# Allegro board HY_IP5328_TEST_V10B.brd
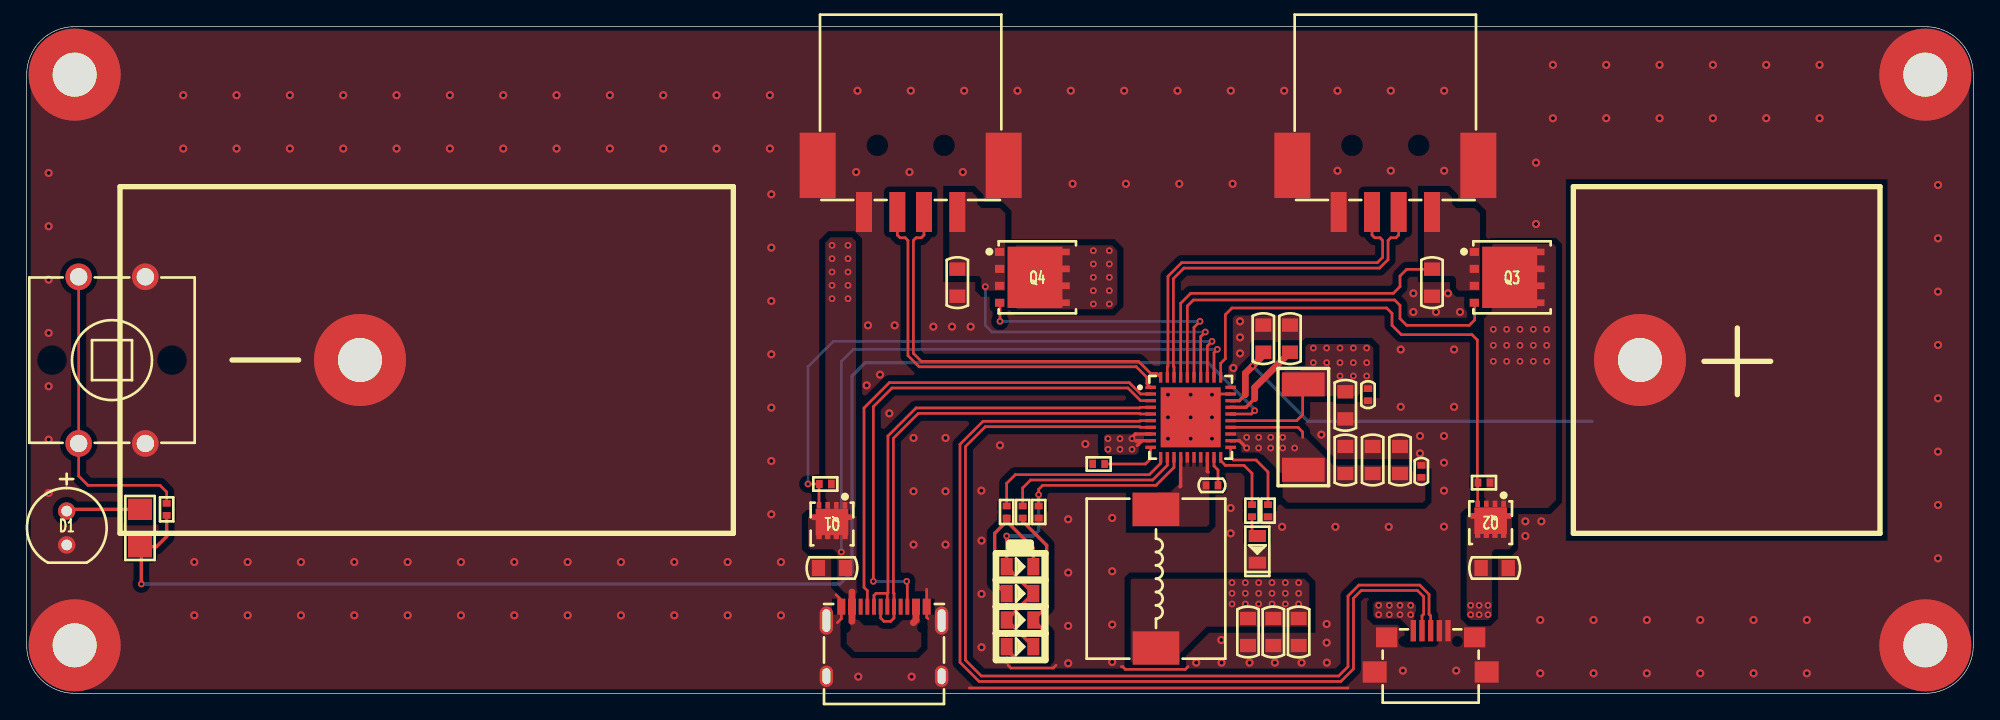
[diagram p0: board, top side]
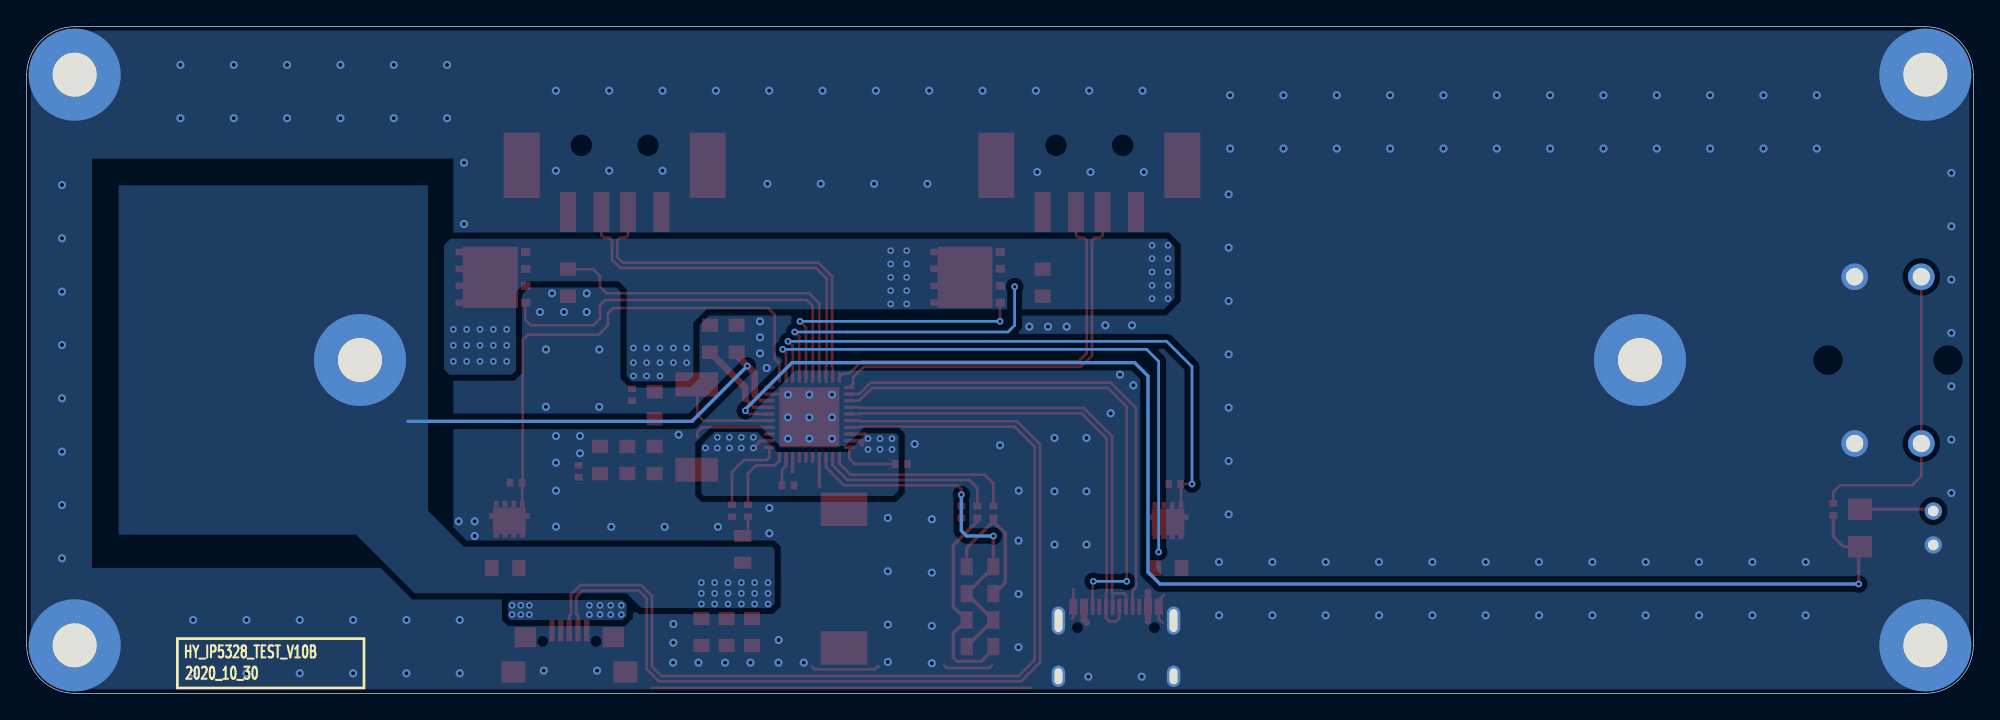
[diagram p1: board, bottom side, seen from below]

Outline 146 x 50 mm; copper layers: TOP, BOTTOM. Coordinates in mm from the lower left corner of the outline.
Outline path: 0,46.4 arc(1.05,48.95) 3.6,50 142.4,50 arc(144.95,48.95) 146,46.4 146,3.6 arc(144.95,1.05) 142.4,0 3.6,0 arc(1.05,1.05) 0,3.6 0,46.4

## Design rules (mm)
constraint set DEFAULT: min track width 0.203, pair gap 0.203
net group DP1: nets DMB DPB
net group DP2: nets DMC DPC
net group DP3: nets DMA1 DPA1
net group DP4: nets DMA2 DPA2

## Placement (name value [footprint] x y rotation side)
C1  22uF_25V  [C0805]  98.9 21.6 270 top
C2  100nF_50V  [C0402]  100.6 22.4 90 top
C3  100nF_50V  [C0402]  104.6 16.65 270 top
C4  22uF_25V  [C0805]  103 17.5 90 top
C5  22uF_25V  [C0805]  100.95 17.5 90 top
C6  22uF_25V  [C0805]  98.9 17.5 90 top
C7  22uF_10V  [C0805]  92.75 26.6 270 top
C8  22uF_10V  [C0805]  94.75 26.6 270 top
C9  100nF_50V  [C0402]  88.9 15.6 0 top
C10  10uF_25V  [C0805]  60.4 9.4 180 top
C11  22uF_10V  [C0805]  95.4 4.6 270 top
C12  22uF_10V  [C0805]  93.5 4.6 270 top
C13  22uF_10V  [C0805]  91.6 4.6 270 top
C14  10uF_25V  [C0805]  110.1 9.4 0 top
C15  10uF_25V  [C0805]  105.4 30.8 270 top
C16  10uF_25V  [C0805]  69.8 30.8 270 top
D1  LED_GREEN  [LED-5R0X5R0]  3 12.4 270 top
D2  LED_GREEN  [LED0805]  92.3 10.8 270 top
D3  LED_GREEN  [LED0805]  74.5 3.5 0 top
D4  LED_GREEN  [LED0805]  74.5 5.5 0 top
D5  LED_GREEN  [LED0805]  74.5 7.48 0 top
D6  LED_GREEN  [LED0805]  74.5 9.5 0 top
L1  SMMS1040-1R5M  [L10040]  84.7 8.6 270 top
MH1  HOLD-M3/NI  [HOLD6R90X3R40]  121 25 0 top
MH2  HOLD-M3/NI  [HOLD6R90X3R40]  25 25 0 top
MH3  HOLD-M3/NI  [HOLD6R90X3R40]  3.6 46.4 0 top
MH4  HOLD-M3/NI  [HOLD6R90X3R40]  3.6 3.6 0 top
MH5  HOLD-M3/NI  [HOLD6R90X3R40]  142.4 3.6 0 top
MH6  HOLD-M3/NI  [HOLD6R90X3R40]  142.4 46.4 0 top
NOREF  -  []  0 0 90 top
NOREF#2  -  []  0 0 0 top
Q1  WSD30L40DN  [DFN3X3]  60.4 12.7 180 top
Q2  WSD30L40DN  [DFN3X3]  109.8 12.8 180 top
Q3  WSD30140DN  [DFN5X6]  111.4 31.2 270 top
Q4  WSD30140DN  [DFN5X6]  75.8 31.2 270 top
R1  0R01  [R2512]  95.75 19.97 90 top
R2  20R  [R1206]  8.5 12.4 90 top
R3  1K  [R0402]  10.5 13.8 270 top
R4  1K  [R0402]  93.1 13.7 270 top
R5  10K  [R0402]  91.9 13.7 270 top
R6  10K  [R0402]  59.9 15.7 0 top
R7  0R/NI  [R0402]  75.9 13.6 270 top
R8  10K  [R0402]  74.7 13.6 270 top
R9  10K  [R0402]  73.5 13.6 270 top
R10  51K  [R0402]  80.4 17.2 180 top
R11  10K  [R0402]  109.3 15.8 0 top
SW1  B3F-4055  [SW-B3F4055]  6.4 24.99 270 top
U1  IP5328P  [QFN40-6X6X0R5-4R6X4R6]  87.3 20.7 270 top
USB1  -  [TYPE-C-31-M-12]  64.3 6.5 0 top
USB2  USB-MICRO  [USB-U-F-M5SS-W-1]  105.3 1.6 0 top
USB3  USB-A/NI  [USB-A-SMD]  101.9 37 90 top
USB4  USB-A/NI  [USB-A-SMD]  66.3 37 90 top

## Library data of the parts
C1 C4-C8 C10-C16 = CAP NP_3
C2 C3 C9 = CAP NP_2
D1-D6 = LED_2
L1 = IND_BEAD_0805_600OHM_1
MH1-MH6 = Hold_1
Q1 Q2 = SI4497DY-T1-GE3_0
Q3 Q4 = SI4497DY-T1-GE3_2
R1-R11 = R_Generic
SW1 = SWITCH-SPST-4P
U1 = IP5328P_0
USB1 = TYPE-C_16P
USB2 = USB-MICRO
USB3 USB4 = USB-A

## Footprints (pads in the part's own frame, mm; a bottom-side part is the same pattern mirrored in y, then rotated)
C0402
  rect 0.5x0.6 smd: 1(-0.45,0) 2(0.45,0)
C0805
  rect 1x1.2 smd: 1(-1.016,0) 2(1.016,0)
DFN3X3
  rect 0.35x0.5 smd: 1(-0.975,-1.4) 2(-0.325,-1.4) 3(0.325,-1.4) 4(0.975,-1.4)
  custom 3.05x2.28 smd: 5(0,0)
DFN5X6
  rect 0.6x0.7 smd: 1(-1.905,-2.825) 2(-0.635,-2.825) 3(0.635,-2.825) 4(1.905,-2.825)
  custom 4.6x4.67 smd: 5(0,0.1)
HOLD6R90X3R40
  round 6.9 hole 3.3: 1(0,0)
L10040
  rect 2.5x3.5 smd: 1(-5.2,0) 2(5.2,0)
LED0805
  rect 0.9x1.3 smd: 1(-1,0) 2(1,0)
LED-5R0X5R0
  round 1.3 hole 0.8: 1(-1.27,0) 2(1.27,0)
QFN40-6X6X0R5-4R6X4R6
  rect 0.25x0.8 smd: 1(-2.25,-3) 2(-1.75,-3) 3(-1.25,-3) 4(-0.75,-3) 5(-0.25,-3) 6(0.25,-3) 7(0.75,-3) 8(1.25,-3) 9(1.75,-3) 10(2.25,-3) 21(2.25,3) 22(1.75,3) 23(1.25,3) 24(0.75,3) 25(0.25,3) 26(-0.25,3) 27(-0.75,3) 28(-1.25,3) 29(-1.75,3) 30(-2.25,3)
  rect 0.8x0.25 smd: 11(3,-2.25) 12(3,-1.75) 13(3,-1.25) 14(3,-0.75) 15(3,-0.25) 16(3,0.25) 17(3,0.75) 18(3,1.25) 19(3,1.75) 20(3,2.25) 31(-3,2.25) 32(-3,1.75) 33(-3,1.25) 34(-3,0.75) 35(-3,0.25) 36(-3,-0.25) 37(-3,-0.75) 38(-3,-1.25) 39(-3,-1.75) 40(-3,-2.25)
  rect 4.5x4.5 smd: 41(0,0)
R0402
  rect 0.5x0.6 smd: 1(-0.45,0) 2(0.45,0)
R1206
  rect 1.6x1.8 smd: 1(-1.4,0) 2(1.4,0)
R2512
  rect 1.8x3.2 smd: 1(-3.2,0) 2(3.2,0)
SW-B3F4055
  round 2 hole 1.3: 1(-6.25,2.5) 2(6.25,2.5) 3(-6.25,-2.5) 4(6.25,-2.5)
TYPE-C-31-M-12
  rect 0.6x1.2 smd: 1(-3.2,0) 2(-2.4,0) 11(2.4,0) 12(3.2,0)
  rect 0.3x1.2 smd: 3(-1.75,0) 4(-1.25,0) 5(-0.75,0) 6(-0.25,0) 7(0.25,0) 8(0.75,0) 9(1.25,0) 10(1.75,0)
  oval 1x2.1 hole 0.6x1.7: 13(-4.32,-1.04) 14(4.32,-1.04)
  oval 1x1.6 hole 0.6x1.2: 15(-4.32,-5.22) 16(4.32,-5.22)
USB-A-SMD
  rect 3x1.2 smd: 1(-0.9,-3.5) 2(-0.9,-1) 3(-0.9,1) 4(-0.9,3.5)
  rect 4.9x2.7 smd: 5(2.6,-6.975) 6(2.6,6.975)
USB-U-F-M5SS-W-1
  rect 0.4x1.6 smd: 1(-1.3,3.1) 2(-0.65,3.1) 3(0,3.1) 4(0.65,3.1) 5(1.3,3.1)
  rect 1.6x1.5 smd: 6(-3.3,2.6) 7(3.3,2.6)
  rect 1.8x1.6 smd: 8(-4.2,0) 9(4.2,0)

## Nets
GND: C1.2 C2.1 C3.1 C4.2 C5.2 C6.2 C7.1 C8.1 C10.2 C11.2 C12.2 C13.2 C14.2 C15.2 C16.2 D1.2(CATHODE) D2.2(CATHODE) MH2.1 MH3.1 MH4.1 MH5.1 MH6.1 R4.2 R7.2 R10.2 SW1.1 SW1.2 U1.29 U1.41 USB1.1 USB1.12 USB1.13 USB1.14 USB1.15 USB1.16 USB2.4 USB2.5 USB2.6 USB2.7 USB2.8 USB2.9 USB3.4 USB3.5 USB3.6 USB4.4 USB4.5 USB4.6
VBUSG: Q1.4 R6.1 U1.33
VCC_VBAT: C7.2 C11.1 C12.1 C13.1 L1.2(B) MH1.1 U1.28
VCC_VBUS: C10.1 Q1.5 U1.32 USB1.2 USB1.11(VBUS2)
VCC_VIN: C14.1 Q2.5 USB2.1(VBUS)
VCC_VMID: C1.1 C2.2 Q1.1 Q1.2 Q1.3(S3) Q2.1 Q2.2 Q2.3(S3) Q3.5 Q4.5 R1.2 R6.2 R11.2 U1.25
VCC_VOUT1: C15.1 Q3.1 Q3.2 Q3.3(S3) U1.37 USB3.1(VBUS)
VCC_VOUT2: C16.1 Q4.1 Q4.2 Q4.3(S3) U1.34 USB4.1(VBUS)
VCC_VREG: C8.2 U1.27
VCC_VSYS: C3.2 C4.1 C5.1 C6.1 R1.1 U1.8 U1.9 U1.22 U1.23(VSYS_4) U1.24
VING: Q2.4 R11.1 U1.31
CC1: U1.2 USB1.4
CC2: U1.3 USB1.10
DMA1: U1.38 USB3.2
DMA2: U1.40 USB4.2
DMB: U1.6 USB2.2
DMC: U1.4 USB1.5 USB1.7
DPA1: U1.39 USB3.3
DPA2: U1.1 USB4.3
DPB: U1.7 USB2.3
DPC: U1.5 USB1.6 USB1.8
LIGHT: R5.1 U1.20
VOUT1G: Q3.4 U1.36
VOUT2G: Q4.4 U1.35
N17512253: R2.1 R3.2 U1.26
N17512311: R4.1 U1.21
N17512398: D2.1 R5.2
N17512435: C9.2 U1.19
N17512437: C9.1 L1.1 U1.14 U1.15 U1.16 U1.17 U1.18
N17512548: D3.2(CATHODE) D4.1 D5.2(CATHODE) D6.1 R7.1 U1.13
N17512579: R8.1 U1.12
N17512581: D3.1 D4.2(CATHODE) R8.2
N17512652: R9.1 U1.11
N17512673: D5.1 D6.2(CATHODE) R9.2
N17512708: R10.1 U1.10
N17556704: D1.1 R2.2
N17560267: R3.1 SW1.3 SW1.4

Pads without a net: U1 30; USB1 3 9

## Via types
v1: diameter 0.508, hole 0.254, TOP to BOTTOM, 110 vias
v2: diameter 0.61, hole 0.305, TOP to BOTTOM, 196 vias

## Routing (per net, layer and track width the routed paths; a pad name or vN(x,y) marks a point on that pad's centre or on a via; arc(x,y) is an arc through that point)
GND: length 43.4
  TOP w0.203: 87.1,2 86.9,1.8 82.4,1.8 82.2,2 82.1,2 ; 60.7,7.4 61.1,7 USB1.1 61.1,5.6 60.8,5.3 ; 99.1,0.4 70.7,0.4 ; 67.5,7.8 USB1.12 67.5,5.7 67.6,5.6 ; 73.6,2.1 73.8,1.9 77,1.9 77.2,2.1 ; v2(88.9,22.4) 88.95,22.45 U1.29
  vias: v2(1.65,39.03) v2(1.65,35.03) v2(1.65,31.03) v2(1.65,27.03) v2(1.65,23.03) v2(1.65,19.03) v2(1.65,15.03) v2(11.74,44.86) v2(11.74,40.86) v2(12.57,9.85) v2(12.57,5.85) v2(15.74,44.86) v2(15.74,40.86) v2(16.57,9.85) v2(16.57,5.85) v2(19.74,44.86) v2(19.74,40.86) v2(20.57,9.85) v2(20.57,5.85) v2(23.74,44.86) v2(23.74,40.86) v2(24.57,9.85) v2(24.57,5.85) v2(27.74,44.86) v2(27.74,40.86) v2(28.57,9.85) v2(28.57,5.85) v2(31.74,44.86) v2(31.74,40.86) v2(32.57,9.85) v2(32.57,5.85) v2(35.74,44.86) v2(35.74,40.86) v2(36.57,9.85) v2(36.57,5.85) v2(39.74,44.86) v2(39.74,40.86) v2(40.57,9.85) v2(40.57,5.85) v2(43.74,44.86) v2(43.74,40.86) v2(44.57,9.85) v2(44.57,5.85) v2(47.74,44.86) v2(47.74,40.86) v2(48.57,9.85) v2(48.57,5.85) v2(51.74,44.86) v2(51.74,40.86) v2(52.57,9.85) v2(52.57,5.85) v2(55.74,44.86) v2(55.74,40.86) v2(55.85,37.43) v2(55.85,33.43) v2(55.85,29.43) v2(55.85,25.43) v2(55.85,21.43) v2(55.85,17.43) v2(55.85,13.43) v2(56.57,9.85) v2(56.57,5.85) v2(62.21,39.1) v2(62.31,45.2) v2(62.37,1.25) v2(63,23.1) v2(63.1,27.6) v2(64,23.9) v2(64.7,21) v2(65.1,27.6) v2(66.21,39.1) v2(66.31,45.2) v2(66.37,1.25) v2(66.51,19.15) v2(66.51,15.15) v2(66.51,11.15) v2(68,27.5) v2(68.91,19.15) v2(68.91,15.15) v2(68.91,11.15) v2(69.4,27.5) v2(70.21,39.1) v2(70.31,45.2) v2(70.8,27.5) v2(71.6,15.2) v2(71.61,11.45) v2(71.61,7.45) v2(71.61,3.45) v2(73,18.6) v2(74.31,45.2) v2(78.11,13.05) v2(78.11,9.05) v2(78.11,5.05) v2(78.11,2.25) v2(78.31,45.2) v2(78.45,38.21) v2(79.4,18.7) v2(81.41,13.15) v2(81.41,9.15) v2(81.41,5.15) v2(81.41,2.35) v2(82.31,45.2) v2(82.45,38.21) v2(85.6,22.4) v2(85.6,20.7) v2(85.6,19.1) v2(86.31,45.2) v2(86.45,38.21) v2(87.3,22.4) v2(87.3,20.7) v2(87.3,19.1) v2(87.72,2.3) v2(88.9,20.7) v2(88.9,19.1) v2(89.6,4) v2(89.62,2.3) v2(90.31,45.2) v2(90.3,13.9) v2(90.3,12) v2(90.45,38.21) v2(90.5,24.4) v2(91,27.9) v2(91,26.7) v2(91,25.5) v2(91.72,2.3) v2(93.62,2.3) v2(94.15,12.49) v2(94.31,45.2) v2(95.62,2.3) v2(97.1,19.4) v2(97.5,5.2) v2(97.5,3.8) v2(97.52,2.3) v2(98.15,12.49) v2(98.31,45.2) v2(98.31,39.2) v2(102.15,12.49) v2(102.31,45.2) v2(102.31,39.2) v2(103.05,25.79) v2(103.05,21.49) v2(103.22,1.7) v2(104,30) v2(104,28.6) v2(104.5,19.3) v2(104.5,18) v2(105.7,28.6) v2(106.31,45.2) v2(106.31,39.2) v2(106.3,19.3) v2(106.3,17.3) v2(106.3,15.2) v2(106.3,12.5) v2(106.6,30) v2(107.05,25.79) v2(107.05,21.49) v2(107.22,1.7) v2(107.5,28.6) v2(112.4,12.9) v2(112.4,11.8) v2(113.2,39.8) v2(113.2,35.2) v2(113.52,5.5) v2(113.52,1.5) v2(113.6,12.9) v2(114.47,47.13) v2(114.47,43.13) v2(117.52,5.5) v2(117.52,1.5) v2(118.47,47.13) v2(118.47,43.13) v2(121.52,5.5) v2(121.52,1.5) v2(122.47,47.13) v2(122.47,43.13) v2(125.52,5.5) v2(125.52,1.5) v2(126.47,47.13) v2(126.47,43.13) v2(129.52,5.5) v2(129.52,1.5) v2(130.47,47.13) v2(130.47,43.13) v2(133.52,5.5) v2(133.52,1.5) v2(134.47,47.13) v2(134.47,43.13) v2(143.35,38.12) v2(143.35,34.12) v2(143.35,30.12) v2(143.35,26.12) v2(143.35,22.12) v2(143.35,18.12) v2(143.35,14.12) v2(143.35,10.12)
VBUSG: length 45.2
  TOP w0.203: v1(58.6,15.7) R6.1 59.42,15.68 Q1.4 ; v1(88.9,26.4) 88.55,26.05 U1.33
  BOTTOM w0.203: v1(88.9,26.4) 60.5,26.4 58.6,24.5 v1(58.6,15.7)
VCC_VBAT: length 32.2
  TOP w0.254: 91.4,22.4 90.95,21.95 U1.28
  TOP w0.508: 91.4,22.4 91.4,24 v1(91.95,24.55) 92.75,25.35 C7.2
  BOTTOM w0.254: 117.4,20.4 96.1,20.4 v1(91.95,24.55)
  vias: v1(90.4,8.3) v1(90.4,7.5) v1(90.4,6.7) v1(91.4,8.3) v1(91.4,7.5) v1(91.4,6.7) v1(92.4,8.3) v1(92.4,7.5) v1(92.4,6.7) v1(93.4,8.3) v1(93.4,7.5) v1(93.4,6.7) v1(94.4,8.3) v1(94.4,7.5) v1(94.4,6.7) v1(95.4,8.3) v1(95.4,7.5) v1(95.4,6.7)
VCC_VBUS: length 48.6
  TOP w0.203: v1(89.3,25.8) 89.05,25.55 U1.32
  TOP w0.508: 66.5,5.3 66.7,5.5 USB1.11 ; 61.9,7.6 USB1.2 61.9,5.4
  BOTTOM w0.203: v1(61.1,10.6) 61.1,24.9 62,25.8 v1(89.3,25.8)
VCC_VIN:
  vias: v1(101.4,6.6) v1(101.4,5.9) v1(102.2,6.6) v1(102.2,5.9) v1(103,6.6) v1(103,5.9) v1(103.8,6.6) v1(103.8,5.9) v1(108.3,6.6) v1(108.3,5.9) v1(108.94,6.6) v1(108.94,5.9) v1(109.6,6.6) v1(109.6,5.9)
VCC_VMID: length 7.9
  TOP w0.203: R1.2 95.7,23.12 95.7,20.9 95.25,20.45 U1.25
  vias: v1(60.4,33.6) v1(60.4,32.6) v1(60.4,31.6) v1(60.4,30.6) v1(60.4,29.6) v1(61.6,33.6) v1(61.6,32.6) v1(61.6,31.6) v1(61.6,30.6) v1(61.6,29.6) v1(80,33.2) v1(80,32.2) v1(80,31.2) v1(80,30.2) v1(80,29.2) v1(81.2,33.2) v1(81.2,32.2) v1(81.2,31.2) v1(81.2,30.2) v1(81.2,29.2) v1(96.5,25.9) v1(96.5,24.8) v1(97.5,25.9) v1(97.5,24.8) v1(98.5,25.9) v1(98.5,24.8) v1(98.5,23.8) v1(99.5,25.9) v1(99.5,24.8) v1(99.5,23.8) v1(100.5,25.9) v1(100.5,24.8) v1(100.5,23.8) v1(110,27.3) v1(110,26.1) v1(110,24.9) v1(111,27.3) v1(111,26.1) v1(111,24.9) v1(112,27.3) v1(112,26.1) v1(112,24.9) v1(113,27.3) v1(113,26.1) v1(113,24.9) v1(114,27.3) v1(114,26.1) v1(114,24.9)
VCC_VOUT1: length 25.9
  TOP w0.203: U1.37 86.55,29.25 87.3,30 102.5,30 103,30.5 103,31.3 103.5,31.8 105.38,31.8 C15.1
VCC_VOUT2: length 23.2
  TOP w0.203: U1.34 88.05,26.75 v1(88.4,27.1)
  BOTTOM w0.203: v1(88.4,27.1) 72.4,27.1 71.9,27.6 v1(71.9,30.5)
VCC_VREG: length 6.7
  TOP w0.254: U1.27 91.45,21.45 92.1,22.1
  TOP w0.508: 92.1,22.1 92.1,22.93 C8.2
VCC_VSYS: length 10.2
  TOP w0.203: 95.7,19.2 95.7,19.6 95.35,19.95 U1.24
  TOP w0.254: 83.65,18.95 83.3,18.6 ; 83.65,18.95 83.25,18.95 83.2,18.9 ; 83.65,18.95 U1.9 ; 83,19.3 83.15,19.45 U1.8 ; U1.22 90.95,18.95 91.4,18.5
  vias: v1(81.1,19.1) v1(81.1,18.3) v1(82,19.1) v1(82,18.3) v1(82.9,19.1) v1(82.9,18.3) v1(91.5,19.2) v1(91.5,18.4) v1(92.4,19.2) v1(92.4,18.4) v1(93.3,19.2) v1(93.3,18.4) v1(94.2,19.2) v1(94.2,18.4) v1(95.1,18.4)
VING: length 37.8
  TOP w0.203: U1.31 89.55,24.75 89.9,25.1 89.9,28.4 90.4,28.9 102,28.9 102.4,28.5 102.4,27.6 103.1,26.9 108.4,26.9 108.8,26.5 108.8,15.85 R11.1 108.83,15.78 Q2.4
CC1: length 37.6
  TOP w0.203: U1.2 83.55,22.45 82.7,23.3 64.7,23.3 62.8,21.4 62.8,7.95 63.05,7.7 USB1.4
CC2: length 39.3
  TOP w0.203: USB1.10 66.05,8.35 v1(66,8.4) ; U1.3 83.55,21.95 82.6,22.9 64.9,22.9 63.5,21.5 v1(63.5,8.4)
  BOTTOM w0.203: v1(63.5,8.4) v1(66,8.4)
DMA1: length 28.2
  TOP w0.203: USB3.2 102.9,34.37 102.7,34.17 102.31,34.17 102.1,33.97 102.1,32.53 101.47,31.89 86.79,31.89 86,31.1 86,24.53 86.05,24.48 U1.38
DMA2: length 30.5
  TOP w0.203: USB4.2 67.3,34.37 67.1,34.17 66.71,34.17 66.5,33.97 66.5,25.5 67.1,24.9 83.39,24.9 84.3,23.99 84.76,23.99 U1.40
DMB: length 75.5
  TOP w0.203: U1.6 83.52,20.45 83.47,20.4 71.73,20.4 70,18.67 70,2.33 71.43,0.89 98.57,0.89 99.51,1.83 99.51,7.13 100.09,7.71 104.31,7.71 104.77,7.25 104.77,5.93 104.65,5.81 USB2.2
DMC: length 35.3
  TOP w0.203: 64.55,7.49 64.53,7.5 63.7,7.5 63.55,7.35 USB1.5 ; 64.55,7.49 64.6,7.53 64.6,19.3 66.7,21.4 83.47,21.4 83.52,21.45 U1.4 ; 64.55,7.49 USB1.7
DPA1: length 28.2
  TOP w0.203: USB3.3 100.9,34.37 101.1,34.17 101.49,34.17 101.7,33.97 101.7,32.7 101.3,32.3 86.63,32.3 85.6,31.27 85.6,24.53 85.55,24.48 U1.39
DPA2: length 30.8
  TOP w0.203: U1.1 84.01,23.24 84.01,23.7 83.22,24.49 66.93,24.49 66.1,25.33 66.1,33.97 65.89,34.17 65.5,34.17 65.3,34.37 USB4.3
DPB: length 74.8
  TOP w0.203: U1.7 83.52,19.95 83.47,20 71.9,20 70.41,18.51 70.41,2.49 71.6,1.3 98.4,1.3 99.1,2 99.1,7.3 99.92,8.12 104.48,8.12 105.18,7.42 105.18,5.93 105.3,5.81 USB2.3
DPC: length 35.6
  TOP w0.203: USB1.6 64.05,5.65 64.3,5.4 64.8,5.4 65.05,5.65 USB1.8 65.05,7.49 65,7.53 65,19.13 66.87,21 83.47,21 83.52,20.95 U1.5
LIGHT: length 5.3
  TOP w0.203: R5.1 91.9,16.5 91.3,17.1 89.9,17.1 89.55,17.45 U1.20
VOUT1G: length 29.9
  TOP w0.203: U1.36 87.05,29.05 87.5,29.5 102.6,29.5 103,29.1 103,28.1 103.5,27.6 108.2,27.6 108.6,28 108.6,29.27 108.58,29.3
VOUT2G: length 20.8
  TOP w0.203: U1.35 87.55,27.45 v1(88,27.9) ; 72.97,29.3 73,29.27 v1(73,27.9)
  BOTTOM w0.203: v1(88,27.9) v1(73,27.9)
N17512253: length 109.2
  TOP w0.203: v1(92.1,21.2) 91.85,20.95 U1.26
  TOP w0.254: R3.2 10.5,11.76 9.74,11 R2.1 8.6,10.9 v1(8.6,8.2)
  BOTTOM w0.254: v1(92.1,21.2) 92.1,21.3 88.6,24.8 62.9,24.8 61.9,23.8 61.9,9.1 61,8.2 v1(8.6,8.2)
N17512311: length 6.5
  TOP w0.203: R4.1 93.1,16.6 92.2,17.5 90.5,17.5 90.3,17.7 U1.21
N17512398: length 1.6
  TOP w0.203: R5.2 91.9,12.2 D2.1
N17512435: length 2.2
  TOP w0.203: U1.19 89.05,17.05 89.35,16.75 C9.2
N17512437: length 3.3
  TOP w0.254: 88.6,16.6 88.55,16.65 U1.18 ; U1.14 86.55,15.55 86.5,15.5
N17512548: length 28.9
  TOP w0.203: U1.13 86.05,16.95 84.7,15.6 76.2,15.6 75.9,15.3 v1(75.9,14.9) R7.1
  TOP w0.254: D3.2 D4.1 75.48,7.48 D5.2 73.5,9.48 D6.1 v1(73.5,11.8)
  BOTTOM w0.254: v1(73.5,11.8) 75.5,11.8 75.9,12.2 v1(75.9,14.9)
N17512579: length 13.5
  TOP w0.203: R8.1 74.7,15.4 75.3,16 84.45,16 85.55,17.1 U1.12
N17512581: length 15.7
  TOP w0.254: R8.2 74.7,12.9 76.5,11.1 76.5,6.5 D4.2 76.5,4.5 76.5,2.65 76.25,2.4 74.4,2.4 73.5,3.3 D3.1
N17512652: length 14.3
  TOP w0.203: R9.1 73.5,15.75 74.15,16.4 84.2,16.4 85.05,17.25 U1.11
N17512673: length 10.7
  TOP w0.254: D6.2 75.5,10.9 73.5,12.9 72.6,12 72.6,8.3 73.42,7.48 D5.1
  TOP w0.508: 73.5,12.9 R9.2
N17512708: length 4.5
  TOP w0.203: U1.10 84.3,17.6 83.9,17.2 R10.1
N17556704: length 5.6
  TOP w0.254: R2.2 3.13,13.8 D1.1
N17560267: length 22.9
  TOP w0.203: SW1.3 SW1.4 3.9,16.3 4.6,15.6 10,15.6 10.5,15.1 R3.1

## Copper pours and planes (outline as drawn; the poured copper is in the pictures)
GND on TOP: 145.7,3.6 144.73,1.27 142.4,0.3 3.6,0.3 1.27,1.27 0.3,3.6 0.3,46.4 1.27,48.73 3.6,49.7 142.4,49.7 144.73,48.73 145.7,46.4 ; 5 cut-outs
GND on BOTTOM: 145.7,3.6 144.73,1.27 142.4,0.3 3.6,0.3 1.27,1.27 0.3,3.6 0.3,46.4 1.27,48.73 3.6,49.7 142.4,49.7 144.73,48.73 145.7,46.4 ; 1 cut-out
VCC_VBAT on TOP: 115.9,38.1 115.9,11.9 139.1,11.9 139.1,38.1
VCC_VBAT on TOP: 82.8,2 82.8,8.5 82.9,8.6 95.8,8.6 96.2,8.2 96.2,5 88.5,5 86.5,3 86.5,2
VCC_VBAT on BOTTOM: 115.9,38.1 139.1,38.1 139.1,11.9 121.3,11.9 116.9,7.5 101,7.5 99.9,6.4 90.2,6.4 89.9,6.7 89.9,10.8 90.1,11 113.2,11 115.9,13.7
VCC_VBUS on TOP: 62.8,13.1 62.8,8.1 62.3,7.6 62.3,5.6 62.8,5.1 65.3,5.1 66.3,6.1 66.3,7.2 67.1,7.2 67.1,3.5 66.7,3.1 62.1,3.1 61.5,3.7 61.5,7.4 60.8,8.1 60.8,10.5 60.5,10.8 58.8,10.8 58.6,11 58.6,13.2 58.7,13.3 62.6,13.3
VCC_VIN on TOP: 108.1,13.4 108,13.3 108,5.8 108.3,5.5 109.6,5.5 109.9,5.8 109.9,10.6 110.1,10.8 111.2,10.8 111.4,11 111.4,13.3 111.3,13.4
VCC_VIN on TOP: 104.2,3.9 104.2,6.6 103.9,6.9 101.2,6.9 101,6.7 101,5.8 101.2,5.6 103,5.6 103.8,4.8 103.8,3.9
VCC_VIN on BOTTOM: 101.3,7 109.7,7 109.9,6.8 109.9,5.7 109.7,5.5 101.3,5.5 101,5.8 101,6.7
VCC_VMID on TOP: 94.1,22.3 99.8,22.3 100.1,22.6 101,22.6 101,25.9 100.7,26.2 96.1,26.2 95.9,26 95.9,24.6 95.5,24.2 94.1,24.2
VCC_VMID on TOP: 109.3,13.9 114.1,13.9 114.7,14.5 114.7,33.5 114.5,33.7 110,33.7 109.9,33.6 109.9,28.7 109.3,28.1
VCC_VMID on TOP: 74.3,28.8 81.4,28.8 81.8,29.2 81.8,33.2 81.4,33.6 74.2,33.6 74.2,28.9
VCC_VMID on TOP: 59.9,13.8 62,13.8 62.2,14 62.2,33.9 61.9,34.2 60.3,34.2 59.9,33.8
VCC_VMID on BOTTOM: 60.5,34.1 114.2,34.1 114.7,33.6 114.7,24.3 114.3,23.9 109.6,23.9 109.3,24.2 109.3,30.1 108.5,30.9 101.6,30.9 101,30.3 101,23.8 100.6,23.4 96.4,23.4 96,23.8 96,27.8 95,28.8 60.7,28.8 59.9,29.6 59.9,33.5
VCC_VOUT1 on TOP: 104.8,37.6 104.8,31.3 107,31.3 107.2,31.1 107.2,30.4 107.4,30.2 109,30.2 109,36 108.6,36.4 107.2,36.4 106.9,36.7 106.9,37.2 106.5,37.6
VCC_VOUT2 on TOP: 69.2,37.6 69.2,31.3 71.4,31.3 71.6,31.1 71.6,30.4 71.8,30.2 73.4,30.2 73.4,36 73,36.4 71.6,36.4 71.3,36.7 71.3,37.2 70.9,37.6
VCC_VSYS on TOP: 81.1,19.6 84.7,19.6 84.7,19.3 83.8,19.3 83.8,19.1 84.7,19.1 84.7,18.8 83.5,18.8 83.4,18.7 83.4,18.1 83.2,17.9 81.1,17.9 80.8,18.2 80.8,19.3
VCC_VSYS on TOP: 89.9,19.6 95.1,19.6 95.5,19.2 95.9,19.2 98,17.1 103.6,17.1 104.3,16.4 104.9,16.4 104.9,14.5 104.7,14.3 94.6,14.3 94.2,14.7 94.2,16.4 92.7,17.9 91.3,17.9 91.1,18.1 91.1,18.6 90.9,18.8 89.9,18.8 89.9,19.1 90.8,19.1 90.8,19.3 89.9,19.3
VCC_VSYS on BOTTOM: 83,19.5 80.8,19.5 80.6,19.3 80.6,15.2 81,14.8 95.2,14.8 95.4,15 95.4,18.6 94.4,19.6 91.2,19.6 89.7,18.1 84.4,18.1
N17512437 on TOP: 88.4,18.1 88.7,18.1 88.7,12.7 88.5,12.5 82.9,12.5 82.9,15.1 85.8,15.1 86.4,15.7 86.4,18.1 86.7,18.1 86.7,17 86.9,17 86.9,18.1 87.2,18.1 87.2,17 87.4,17 87.4,18.1 87.7,18.1 87.7,17 87.9,17 87.9,18.1 88.2,18.1 88.2,17 88.4,17

## Text on the board
Ref Des/Silkscreen Bottom: 2020_10_30 | HY_IP5328_TEST_V10B
BODY_CENTER: FIGURE | FINISHED_SIZE | 0.254 | 0.3048 | 0.8 | 1.3 | 3.3 | 1.2x0.6 | 1.7x0.6 | DRILL CHART: TOP to BOTTOM | ALL UNITS ARE IN MILLIMETERS | ROTATION | - | 90.000 | PLATED | QTY | 110 | 196 | 2 | 4 | 6 | 322 | TOTAL HOLES:
